# Altium PCB RX_fp.PcbDoc (continued)
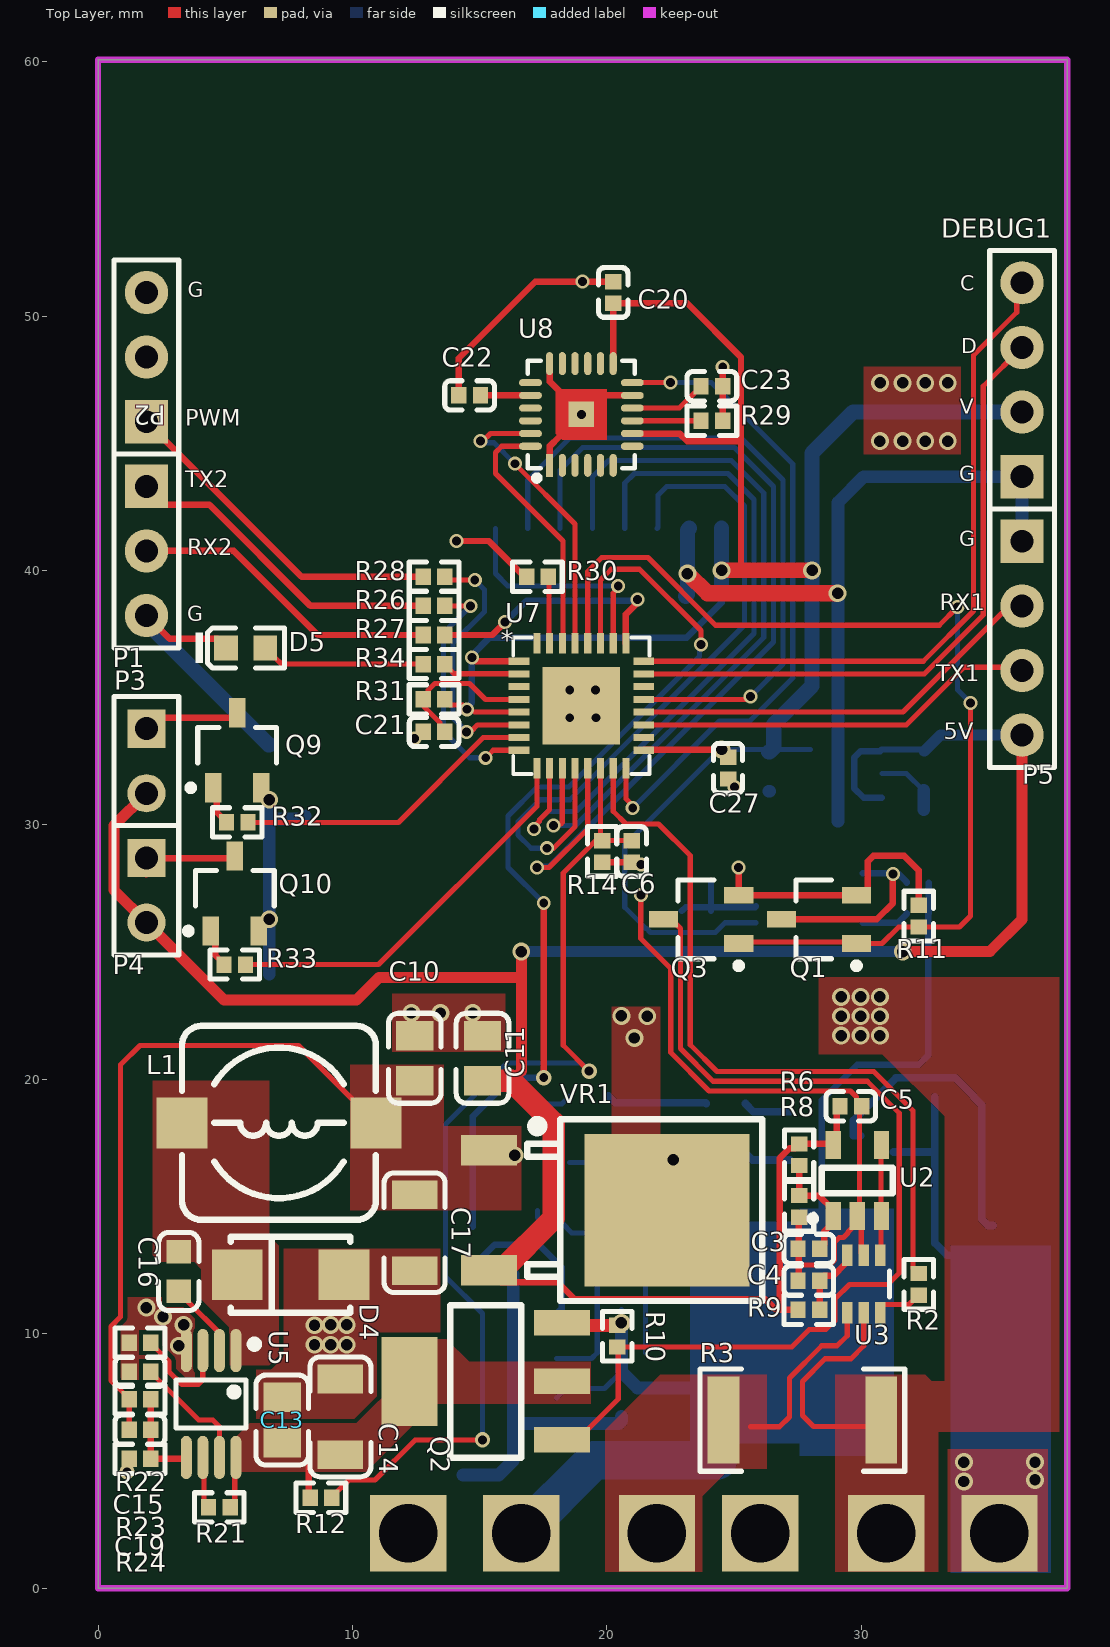
[diagram p0: Top Layer view]
## Part data (continued)
R1 R9: library part "0402 100Ω (1000) 1%", "贴片电阻", Package=0402, SuppliersPartNumber=C25076, ComponentLink1Description=¹©Ó, ComponentLink1URL=http://www.szlcsc.com/product/details_25819.html, Supplier=LC
R2 R14 R23 R32 R33 R34: library part "0402 1KΩ (1001) 1%", "贴片电阻", Package=0402, SuppliersPartNumber=C11702, ComponentLink1Description=¹©Ó, ComponentLink1URL=http://www.szlcsc.com/product/details_12256.html, Supplier=LC
R3 R25: library part "0603 0Ω (0R0) 1%", "贴片电阻", Package=0603, SuppliersPartNumber=C21189, ComponentLink1Description=供应, ComponentLink1URL=http://www.szlcsc.com/product/details_21903.html, Supplier=LC
R4: library part "0402 150KΩ (1503) 1%", "贴片电阻", Package=0402, SuppliersPartNumber=C25755, ComponentLink1Description=¹©Ó, ComponentLink1URL=http://www.szlcsc.com/product/details_26498.html, Supplier=LC
R5 R21: library part "0402 1MΩ (1004) 1%", "贴片电阻", Package=0402, SuppliersPartNumber=C26083, ComponentLink1Description=¹©Ó, ComponentLink1URL=http://www.szlcsc.com/product/details_26826.html, Supplier=LC
R6: library part "0402 4.7KΩ (4701) 1%", "贴片电阻", Package=0402, SuppliersPartNumber=C25900, ComponentLink1Description=¹©Ó, ComponentLink1URL=http://www.szlcsc.com/product/details_26643.html, Supplier=LC
R7: library part "0402 200KΩ (2003) 1%", "贴片电阻", Package=0402, SuppliersPartNumber=C25764, ComponentLink1Description=¹©Ó, ComponentLink1URL=http://www.szlcsc.com/product/details_26507.html, Supplier=LC
R8: library part "0402 2.2KΩ (2201) 1%", "贴片电阻", Package=0402, SuppliersPartNumber=C25879, ComponentLink1Description=¹©Ó, ComponentLink1URL=http://www.szlcsc.com/product/details_26622.html, Supplier=LC
R10: library part "0402 56KΩ (5602) 1%", "贴片电阻", Package=0402, SuppliersPartNumber=C25796, ComponentLink1Description=¹©Ó, ComponentLink1URL=http://www.szlcsc.com/product/details_26539.html, Supplier=LC
R11 R29 R30 R31: library part "0402 10KΩ (1002) 1%", "贴片电阻", Package=0402, SuppliersPartNumber=C25744, ComponentLink1Description=¹©Ó, ComponentLink1URL=http://www.szlcsc.com/product/details_26487.html, Supplier=LC
R12: library part "0402 20KΩ (2002) 1%", "贴片电阻", Package=0402, SuppliersPartNumber=C25765, ComponentLink1Description=¹©Ó, ComponentLink1URL=http://www.szlcsc.com/product/details_26508.html, Supplier=LC
R13 R16: library part "0603 10KΩ (1002) 1%", "贴片电阻", Package=0603, SuppliersPartNumber=C25804, ComponentLink1Description=供应, ComponentLink1URL=http://www.szlcsc.com/product/details_26547.html, Supplier=LC
R15 R17: library part "0603 680Ω (6800) 1%", "贴片电阻", Package=0603, SuppliersPartNumber=C23228, ComponentLink1Description=供应, ComponentLink1URL=http://www.szlcsc.com/product/details_23955.html, Supplier=LC
R18: library part "0603 4.7KΩ (4701) 1%", "贴片电阻", Package=0603, SuppliersPartNumber=C23162, ComponentLink1Description=供应, ComponentLink1URL=http://www.szlcsc.com/product/details_23889.html, Supplier=LC
R19: library part "0603 1KΩ (1001) 1%", "贴片电阻", Package=0603, SuppliersPartNumber=C21190, ComponentLink1Description=供应, ComponentLink1URL=http://www.szlcsc.com/product/details_21904.html, Supplier=LC
R20: library part "0603 30KΩ (3002) 1%", "贴片电阻", Package=0603, SuppliersPartNumber=C22984, ComponentLink1Description=供应, ComponentLink1URL=http://www.szlcsc.com/product/details_23711.html, Supplier=LC
R22: library part "0402 120KΩ (1203) 1%", "贴片电阻", Package=0402, SuppliersPartNumber=C25750, ComponentLink1Description=¹©Ó, ComponentLink1URL=http://www.szlcsc.com/product/details_26493.html, Supplier=LC
R24: library part "0603 270Ω (2700) 1%", "贴片电阻", Package=0603, SuppliersPartNumber=C22966, ComponentLink1Description=供应, ComponentLink1URL=http://www.szlcsc.com/product/details_23693.html, Supplier=LC
R26 R27 R28: library part "0402 470Ω (4700) 1%", "贴片电阻", Package=0402, SuppliersPartNumber=C25117, ComponentLink1Description=¹©Ó, ComponentLink1URL=http://www.szlcsc.com/product/details_25860.html, Supplier=LC
U1: "50mA、3V 至 80V 低压差微功率稳压器"
U2: "运放", Package=SOT-23-5, SuppliersPartNumber=C7972, ComponentLink1Description=供应, ComponentLink1URL=http://www.szlcsc.com/product/details_8449.html, Supplier=LC
U5: "降压开关稳压器"
U7: "ARM", Package=LQFP-48_7x7x05P, SuppliersPartNumber=C9861, ComponentLink1Description=供应, ComponentLink1URL=http://www.szlcsc.com/product/details_10393.html, Supplier=LC
U8: "9轴运动处理传感器"
VR1: library part "TO-252-2 L78M05ABDT-TR", "低压差线性稳压(LDO)", Package=TO-252-2, SuppliersPartNumber=C58069, ComponentLink1Description=供应, ComponentLink1URL=http://www.szlcsc.com/product/details_59107.html, Supplier=LC
B+ B- C+ C- OUT+ OUT-: LatestRevisionDate=17-Jul-2002, LatestRevisionNote="Re-released for DXP Platform.", Publisher="Altium Limited"

## Via types
v1: diameter 0.7, hole 0.45, Top Layer to Bottom Layer, tented both sides, 49 vias
v2: diameter 0.55, hole 0.35, Top Layer to Bottom Layer, tented both sides, 36 vias
v3: diameter 0.6, hole 0.35, Top Layer to Bottom Layer, tented both sides, 4 vias

## Nets (pads, with @x,y where several pads share a name; then routed paths per layer and width w, separated by ;. In a path a pad name is that pad's centre, name@x,y a point inside that pad or via, vN(x,y) a via of type N, cw(c..) or ccw(c..) an arc to the next point about the centre after c; other vN are vias at no path point)
+3.3V: C1.2 C2.2 C7.2 C20.2 C24.2 C25.2 C26.2 C27.2 C28.2 DEBUG1.2 R4.2 R31.2 U1.1 U4.5 U6.1 U7.1 U7.5 U7.17 U8.8 U8.13 | length 85.9
  Top Layer w0.203: R31.2 13.633,34.908 13.831,34.71 14.346,34.71 v2(14.511,34.544) ; 14.81,34.433 U7.5
  Top Layer w0.254: v2(14.699,36.576) 14.842,36.433 U7.1 ; U8.13@20.25,48.283 C20.2 23.158,50.502 25.273,48.387 25.273,45.085 ; U8.8 22.86,45.383 23.158,45.085 25.273,45.085 ; U7.17 21.464,32.946 24.493,32.946 v1(24.511,32.964) ; 25.273,40.005 25.273,45.085
  Top Layer w0.6: v1(24.511,40.005) 25.273,40.005 v1(28.067,40.005)
  Bottom Layer w0.203: U1.1 24.644,26.151 24.264,25.771 C2.2 R4.2 21.717,25.771 C1.2 21.529,25.934 20.701,26.762 20.701,29.21 24.455,32.964 v1(24.511,32.964) 26.49,32.964 U4.5
  Bottom Layer w0.254: v2(14.511,34.544) 14.511,34.624 14.699,34.812 v2(14.699,36.576) 14.699,36.67 15.392,37.363 23.139,37.363 C24.2@24.511,38.735
  Bottom Layer w0.6: C24.2@24.511,39.243 v1(24.511,40.005) U6.1 ; C7.2 26.391,32.865 26.49,32.964 26.556,33.03 26.556,33.946 28.067,35.457 v1(28.067,40.005) 28.067,44.613 29.682,46.228 DEBUG1.2
+5V: C5.2 C8.2 C11.2 P3.2 P4.2 P5.4 R6.2 R9.1 U2.5 U4.1 U4.3 VR1.3 | length 97.9
  Top Layer w0.254: VR1.3 15.844,12.025 18.074,12.025 18.74,11.359 26.233,11.359 26.652,10.94 ; R9.1 26.652,10.94 ; C5.2 29.03,18.806 29.03,17.555 U2.5 28.854,17.461 R6.2 27.386,17.288 27.18,17.288 26.797,16.905 26.797,11.085 26.652,10.94
  Top Layer w0.432: P3.2 0.635,29.972 0.635,27.432 P4.2 4.953,23.114 10.158,23.114 11.047,24.003 16.637,24.003 ; 16.257,19.938 16.637,20.318 16.637,24.003 ; v1(16.637,25.019) 16.637,24.003 ; v1(31.631,25.019) 35.052,25.019 36.322,26.289 P5.4
  Top Layer w0.889: C11.2@15.292,19.938 16.257,19.938 17.907,18.288 17.907,14.534 15.871,12.498 VR1.3
  Bottom Layer w0.254: U4.3 30.099,31.064 29.718,31.445 29.718,32.639 29.97,32.891 30.739,32.891 U4.1 32.399,32.964 C8.2
  Bottom Layer w0.432: v1(16.637,25.019) v1(31.631,25.019) ; C8.2 32.487,32.901 33.114,33.528 P5.4
+12V: C10.2 C17.1 C19.1 L1.1 R17.2 R23.1 VR1.1 | length 26.4
  Top Layer w0.203: C19.1 R23.1 1.226,7.443 0.508,8.161 0.508,10.287 0.889,10.668 0.889,20.572 1.652,21.335 7.875,21.335 L1.1
  other v1: 16.383,17.018
BAT+36V: B+.1 C+.1 Q2.3 Q5.9 Q6.3 R1.2 R5.2 R10.2 R13.1 R18.2 | length 39.6
  Top Layer w0.508: Q2.3@18.24,10.331 R10.2
  Bottom Layer w0.203: R18.2 18.397,7.848 19.913,7.848 20.574,8.509 ; Q6.3 Q6.3@20.638,10.878 ; 23.868,14.755 R13.1 R13.1@23.876,17.137
  Bottom Layer w0.254: 28.448,14.655 28.448,19.177 29.845,20.574 32.258,20.574 32.639,20.955 R1.2@32.639,26.532 ; R1.2 R5.2
  Bottom Layer w0.508: C+.1@15.391,3.405 C+.1 ; v1(20.574,10.428) 20.574,8.509 21.209,7.874 23.495,7.874
  Bottom Layer w1.5: C+.1 19.508,5.03 24.359,5.03
GND: C1.1 C3.1 C4.1 C5.1 C6.1 C7.1 C8.1 C20.1 C21.1 C22.1 C23.1 C24.1 C25.1 C26.1 C27.1 C28.1 D5.K DEBUG1.1 P1.3 P2.3 P5.1 Q1.2 Q3.2 R7.1 R8.1 R11.1 R14.1 R25.1 R29.1 R30.1 U1.0 U1.4 U2.2 U3.2 U4.2 U6.2 U7.33 U8.1 U8.11 U8.18 U8.25 | length 102.5
  Top Layer w0.203: v2(21.336,27.239) 21.336,25.532 22.509,24.359 22.509,21.052 24.016,19.545 29.582,19.545 29.818,19.31 29.818,19.139 C5.1 29.93,18.856 29.93,14.705 U2.2 ; 27.537,12.7 28.75,12.7 28.944,12.894 28.944,13.597 29.133,13.785 29.306,13.785 29.474,13.954 29.474,13.999 29.845,14.37 30.001,14.214 30.001,13.179 U3.2
  Top Layer w0.254: P1.3 2.812,37.32 4.694,37.32 5.032,36.982 D5.K ; v2(14.097,41.16) 15.355,41.16 16.674,39.841 R30.1@16.674,39.568 ; C22.1 14.18,48.343 17.189,51.352 v2(19.05,51.352) C20.1 ; U8.1 17.763,44.146 17.763,44.896 18.125,45.258 ; U8.18 17.755,48.128 17.755,47.427 18.161,47.021 ; 19.578,46.883 U8.11 ; R14.1 C6.1 ; R29.1 C23.1 v2(24.555,48.006) ; v2(25.18,28.321) Q3.2 Q1.2 30.061,27.239 30.259,27.437 30.259,28.564 30.475,28.78 31.689,28.78 32.258,28.211 R11.1 ; C4.1 27.537,12.105 27.537,12.7 27.537,14.557 R8.1
  Top Layer w0.635: v1(23.169,39.878) 23.187,39.878 23.961,39.104 v1(29.071,39.104)
  Bottom Layer w0.203: U4.2 31.784,32.014 32.437,31.361 C8.1
  Bottom Layer w0.5: C7.1 C7.1@26.391,31.325 ; 29.083,30.146 29.083,42.672 30.099,43.688 DEBUG1.1 P5.1 ; 32.462,30.596 C8.1
  Bottom Layer w0.6: P1.3 1.905,37.956 6.706,33.155 6.731,33.155 ; C24.1 23.169,39.06 v1(23.169,39.878) 23.169,41.584 U6.2
  other v1: 30.734,45.085 31.623,45.085 32.512,45.085 33.397,45.085 30.738,47.371 31.627,47.371 32.516,47.371 33.401,47.371
  other v2: 21.336,28.448 25.019,31.496 12.446,33.401 18.542,34.21 19.578,34.21 18.542,35.306 19.558,35.306 19,46.133
LED: R34.1 U7.2 | length 3.1
  Top Layer w0.203: R34.1 13.633,36.297 13.989,35.941 16.541,35.941 U7.2
LED1_PWM: R32.2 U7.7 | length 12
  Top Layer w0.203: R32.2 11.811,30.099 15.145,33.433 U7.7
LED2_PWM: R33.2 U7.9 | length 15.5
  Top Layer w0.203: R33.2 11.027,24.511 17.25,30.734 U7.9
MPU_INT: U7.16 U8.12 | length 26.1
  Top Layer w0.203: U7.16 20.75,31.03 21.017,30.763 v2(21.017,30.669) ; U8.12 v2(22.509,47.383)
  Bottom Layer w0.203: v2(21.017,30.669) 24.426,34.078 25.617,34.078 27.311,35.771 27.311,44.19 24.118,47.383 v2(22.509,47.383)
MPU_SCL: U7.29 U8.23 | length 11.9
  Top Layer w0.203: v2(15.03,45.085) 15.124,45.085 15.422,45.383 U8.23 ; v2(16.384,44.196) 18.75,41.83 U7.29
  Bottom Layer w0.203: v2(15.03,45.085) 15.096,45.019 15.561,45.019 v2(16.384,44.196)
MPU_SDA: U7.30 U8.24 | length 10.1
  Top Layer w0.203: U8.24 15.867,44.883 15.621,44.637 15.621,43.815 18.276,41.16 18.276,37.161 U7.30
NetC2_1: C2.1 R4.1 R7.2 U1.2 | length 4.2
  Bottom Layer w0.254: R4.1 23.097,26.767 C2.1@24.094,26.767 ; C2.1 C2.1@24.094,26.767 ; R7.2 C2.1@24.094,26.767 ; U1.2 25.829,26.767 C2.1@24.094,26.767
NetC3_2: C3.2 R6.1 R8.2 U2.1 | length 4.5
  Top Layer w0.254: R6.1 R8.2 28.336,15.429 28.895,14.87 U2.1 28.803,14.528 28.803,14.278 28.538,14.013 28.538,13.508 C3.2 ; C3.2@28.365,13.226 C3.2@28.365,13.251
NetC4_2: C4.2 R9.2 U3.3 | length 2.8
  Top Layer w0.254: R9.2 28.365,12.108 28.538,12.281 28.906,12.281 29.376,12.751 29.376,13.008 U3.3
NetC6_2: C6.2 R12.1 R14.2 U7.14 | length 40.8
  Top Layer w0.203: R12.1 9.188,3.581 9.861,4.255 10.892,4.255 12.466,5.828 v3(15.113,5.828) ; v3(19.304,20.32) 18.288,21.336 18.288,28.111 R14.2@19.558,29.381 ; U7.14 19.75,29.573 R14.2@19.558,29.381 ; C6.2@20.727,29.381 R14.2 R14.2@19.558,29.381
  Bottom Layer w0.203: v3(15.113,5.828) 15.113,10.795 13.652,12.255 13.652,18.224 16.073,20.645 18.979,20.645 v3(19.304,20.32)
NetC9_2: C9.2 D3.2 R15.2 | length 4
  Bottom Layer w0.305: D3.2 20.329,19.078 23.881,19.078 R15.2
NetC12_1: C12.1 Q6.2 Q8.2 | length 6.1
  Bottom Layer w0.203: C12.1 21.337,13.502 21.524,13.315 Q8.2
NetC12_2: C12.2 D2.2 D3.1 | length 3.5
  Bottom Layer w0.203: D2.2@18.542,16.727 20.066,16.727 19.753,16.414 ; C12.2 19.753,15.436 D3.1@19.753,16.668
NetC15_1: C15.1 U5.7 | length 4.8
  Top Layer w0.203: C15.1 2.076,8.484 3.956,6.604 4.511,6.604 4.77,6.345 U5.7
NetC16_1: C16.1 D4.2 L1.2 U5.1
NetC16_2: C16.2 U5.2 | length 3
  Top Layer w0.203: C16.2 3.2,11.676 3.563,11.313 3.563,11.23 4.77,10.023 U5.2
NetC19_2: C19.2 R23.2 R24.1 U5.5 | length 3.5
  Top Layer w0.254: C19.2 R24.1 3.411,5.08 U5.5 ; C19.2@2.076,6.477 R23.2
NetC21_2: C21.2 R31.1 U7.4 | length 5.7
  Top Layer w0.203: R31.1 12.981,35.131 12.981,35.302 13.24,35.56 14.605,35.56 15.232,34.933 U7.4 ; R31.1@12.807,34.651 13.435,34.024 13.435,33.853 C21.2 C21.2@13.637,33.659
NetC22_2: C22.2 U8.20 | length 2
  Top Layer w0.254: C22.2 U8.20
NetC23_2: C23.2 U8.10 | length 3.1
  Top Layer w0.203: U8.10 22.844,46.383 23.482,47.021 23.507,47.021 23.705,47.219 C23.2
NetD1_1: D1.1 OUT+.1 Q5.2 Q5.3 Q5.4 Q5.5 Q5.6 Q5.7 Q5.8 R16.1 | length 9.1
  Bottom Layer w0.305: D1.1@31.27,17.145 32.885,17.145 ; R16.1@32.893,19.296 32.885,19.304 32.885,17.145 ; Q5.2@34.417,13.081 33.375,13.081 32.885,13.571 32.885,17.145
  other v1: 34.036,4.191 36.83,4.255 34.036,4.953 36.83,4.953
NetD1_2: D1.2 Q4.3 Q5.1 R16.2 | length 12.1
  Bottom Layer w0.305: Q4.3@29.973,17.78 Q4.3 29.698,18.395 31.369,20.066 33.688,20.066 34.425,19.329 34.425,19.304 34.738,18.991 34.738,14.503 34.985,14.255 Q5.1
NetD2_1: D2.1 R17.1 | length 1.8
  Bottom Layer w0.203: R17.1 16.988,19.028 18.229,19.028 D2.1
NetD5_A: D5.A R34.2 | length 6.5
  Top Layer w0.203: D5.A 6.572,36.932 6.935,36.569 6.96,36.569 7.207,36.322 R34.2
NetJ3_1: B-.1 R3.2 U3.4 | length 7.3
  Top Layer w0.203: 25.654,6.345 26.792,6.345 27.178,6.731 27.178,8.255 28.448,9.525 29.052,9.525 29.449,9.922 U3.4
  Top Layer w0.508: R3.2 R3.2@24.713,6.731
NetP1_1: P1.1 R26.2 | length 12.8
  Top Layer w0.254: P1.1 2.628,42.584 4.38,42.584 8.356,38.608 R26.2
NetP1_2: P1.2 R27.2 | length 12.2
  Top Layer w0.254: P1.2 5.334,40.767 8.636,37.465 R27.2
NetP2_1: P2.1 R28.2 | length 13.4
  Top Layer w0.254: P2.1 8.001,39.751 R28.2
NetP3_1: P3.1 Q9.3 | length 3.8
  Top Layer w0.254: P3.1 2.333,34.21 5.273,34.21 Q9.3
NetP4_1: P4.1 Q10.3 | length 3.8
  Top Layer w0.254: P4.1@1.905,28.067 2.528,28.69 5.287,28.69 Q10.3
NetQ1_1: Q1.1 Q3.1 R11.2 U7.28 | length 40.9
  Top Layer w0.203: U7.28 19.25,39.956 19.802,40.509 21.613,40.509 24.275,37.846 33.066,37.846 v2(33.779,38.559) ; Q3.1 25.243,25.402 29.747,25.402 Q1.1@29.811,25.466 ; Q1.1 30.821,25.339 31.473,25.991 R11.2 33.865,25.991 34.29,26.416 v2(34.29,34.798)
  Bottom Layer w0.203: v2(33.779,38.559) 33.779,35.309 v2(34.29,34.798)
NetQ1_3: Q1.3 R5.1 U1.5 | length 7.7
  Top Layer w0.254: Q1.3 30.612,26.289 31.247,26.924 v2(31.247,28.067)
  Bottom Layer w0.254: U1.5 31.441,28.101 31.797,27.745 R5.1
NetQ2_1: Q2.1 Q3.3 R10.1 | length 38.7
  Top Layer w0.203: Q2.1 18.84,5.828 20.447,7.435 20.447,9.445 R10.1 27.266,9.481 27.945,10.16 28.605,10.16 28.956,10.511 28.956,11.289 28.97,11.303 28.97,11.372 29.536,11.938 31.041,11.938 31.496,12.393 31.496,18.669 30.239,19.926 24.173,19.926 22.89,21.209 22.89,25.933 Q3.3@22.661,26.162
NetQ4_1: Q4.1 R13.2 | length 1.9
  Bottom Layer w0.305: R13.2 25.408,17.143 25.721,16.83 Q4.1
NetQ4_2: Q4.2 R15.1 | length 1.9
  Bottom Layer w0.305: R15.1 25.449,19.043 25.762,18.73 Q4.2
NetQ6_1: Q6.1 Q7.3 Q8.1 R18.1 | length 9
  Bottom Layer w0.203: Q7.3 17.272,14.564 17.52,14.316 18.273,14.316 18.623,13.965 19.376,13.965 19.624,13.717 Q6.1 ; R18.1 19.398,9.025 Q8.1 Q6.1@19.624,13.315
NetQ7_1: Q7.1 R19.2 R20.2 | length 6.1
  Bottom Layer w0.254: R19.2 14.757,12.672 15.587,13.502 17.334,13.502 18.222,12.614 Q7.1 18.222,10.975 R20.2
NetQ9_1: Q9.1 R32.1 | length 1.6
  Top Layer w0.254: Q9.1 4.668,31.311 4.668,30.502 5.046,30.124 R32.1
NetQ10_1: Q10.1 R33.1 | length 1.5
  Top Layer w0.254: Q10.1 4.614,25.643 4.614,24.874 4.952,24.536 R33.1
NetR1_1: R1.1 U1.8 | length 1.9
  Bottom Layer w0.254: U1.8 31.441,26.151 31.797,26.507 R1.1
NetR2_1: R2.1 U7.15 | length 29.2
  Top Layer w0.203: U7.15 20.25,30.538 20.75,30.038 22.032,30.038 23.277,28.793 23.277,21.362 24.331,20.307 30.493,20.307 32.035,18.765 32.035,12.561 32.233,12.363 R2.1
NetR2_2: R2.2 U3.6 | length 1.9
  Top Layer w0.203: U3.6 30.749,11.056 30.847,11.154 31.874,11.154 32.233,11.513 R2.2
NetR19_1: R19.1 U7.27 | length 37.5
  Top Layer w0.203: U7.27 19.75,39.628 20.173,40.051 21.29,40.051 23.705,37.636 v2(23.705,37.084)
  Top Layer w0.254: v3(17.52,20.066) v2@17.52,27.051
  Bottom Layer w0.203: v2(17.52,26.931) 16.121,28.33 16.121,30.349 17.268,31.496 18.511,31.496 23.639,36.623 23.639,37.018 v2(23.705,37.084)
  Bottom Layer w0.254: R19.1 14.732,18.542 16.256,20.066 v3(17.52,20.066)
NetR21_1: R21.1 U5.6 | length 2.1
  Top Layer w0.203: U5.6 4.163,5.096 4.163,3.357 R21.1
NetR22_2: R22.2 U5.3 | length 4.2
  Top Layer w0.203: R22.2 2.076,9.627 2.794,8.909 2.794,8.509 3.302,8.001 3.937,8.001 4.12,8.184 U5.3
NetR29_2: R29.2 U8.9 | length 2.7
  Top Layer w0.203: U8.9 R29.2
NetR30_2: R30.2 U7.31 | length 2.6
  Top Layer w0.203: R30.2@17.724,39.751 17.724,37.161 U7.31
NetU2_3: U2.3 U2.4 U3.1 | length 4.4
  Top Layer w0.203: U3.1 30.772,13.104 30.772,17.397 U2.4
NRF_CE: U6.3 U7.12 | length 27.6
  Top Layer w0.203: v2(17.653,29.083) 17.907,29.083 18.75,29.926 U7.12
  Bottom Layer w0.203: v2(17.653,29.083) 17.026,29.083 16.502,29.607 16.502,30.121 17.369,30.988 18.542,30.988 25.406,37.852 25.406,42.539 24.638,43.307 22.352,43.307 22.006,42.961 22.006,41.691 U6.3
NRF_CS: U6.4 U7.10 | length 27.3
  Top Layer w0.203: v2(17.145,29.845) 17.145,29.939 17.353,30.146 17.353,30.202 17.75,30.599 U7.10
  Bottom Layer w0.203: v2(17.145,29.845) 17.145,29.939 17.353,30.146 17.353,30.202 17.677,30.526 18.786,30.526 25.787,37.527 25.787,42.793 24.765,43.815 21.082,43.815 20.701,43.434 U6.4
NRF_IRQ: U6.8 U7.26 | length 9.2
  Top Layer w0.203: U7.26@20.221,37.163 U7.26 20.25,39.104 20.447,39.301 v2(20.447,39.395)
  Bottom Layer w0.203: U6.8 15.621,39.878 16.104,39.395 v2(20.447,39.395)
NRF_MISO: U6.7 U7.21 | length 26.6
  Top Layer w0.203: U7.21 25.441,34.933 25.56,35.052 v2(25.654,35.052)
  Bottom Layer w0.203: U6.7 16.891,43.561 18.542,45.212 25.273,45.212 26.93,43.555 26.93,36.328 v2(25.654,35.052)
NRF_MOSI: U6.6 U7.13 | length 35.8
  Top Layer w0.203: v2(17.25,28.321) 17.73,28.321 19.25,29.841 U7.13
  Bottom Layer w0.203: v2(17.25,28.321) 17.316,28.387 17.741,28.387 26.549,37.195 26.549,38.352 26.549,43.301 25.019,44.831 19.05,44.831 18.161,43.942 U6.6
NRF_SCK: U6.5 U7.11 | length 29.1
  Top Layer w0.203: v2(17.907,29.972) 17.973,30.038 18.197,30.038 18.25,30.091 U7.11
  Bottom Layer w0.203: v2(17.907,29.972) 18.77,29.972 26.168,37.369 26.168,43.047 24.892,44.323 20.066,44.323 19.431,43.688 U6.5
PGND: C9.1 C10.1 C11.1 C13.1 C14.2 C15.2 C17.2 C-.1 D4.1 OUT-.1 Q7.2 Q8.3 Q9.2 Q10.2 R3.1 R20.1 R22.1 R24.2 R25.2 U3.5 U5.4 VR1.2 | length 31.4
  Top Layer w0.203: U3.5 30.099,9.525 29.593,9.019 28.577,9.019 27.686,8.128 27.686,6.785 28.121,6.35 30.786,6.35 R3.1@30.913,6.477
  Top Layer w0.508: C15.2 C15.2@1.252,8.535
  Bottom Layer w0.508: 6.731,24.13 v1(6.731,26.289) 6.731,30.226 ; v1(6.731,30.988) 6.731,30.226 ; R25.2 8.009,30.226 6.731,30.226 ; 14.351,4.445 15.753,4.445 16.322,5.014 16.322,6.477 ; Q7.2 16.322,6.477 ; Q8.3 20.574,6.573 20.478,6.477 16.322,6.477
  other v1: 3.175,9.525 8.509,9.569 9.144,9.569 9.779,9.564 3.362,10.349 8.509,10.331 9.144,10.349 9.779,10.349 2.554,10.668 1.905,11.028 22.606,16.83 21.082,21.624 29.21,21.717 29.973,21.717 30.734,21.717 21.59,22.479 29.21,22.479 29.973,22.479 30.734,22.479 20.574,22.494 12.319,22.606 13.462,22.606 14.732,22.606 29.21,23.241 29.972,23.241 30.734,23.241
  other v3: 1.143,4.572
PWM_BLDC: R28.1 U7.6 | length 10.3
  Top Layer w0.203: R28.1 13.76,39.624 v2(14.81,39.624) ; v2(14.478,33.655) 14.636,33.655 14.914,33.933 U7.6
  Bottom Layer w0.203: v2(14.478,33.655) 14.5,33.655 13.957,34.198 13.957,37.145 15.19,38.378 15.19,39.243 v2(14.81,39.624) v2@14.859,39.624
SWC: DEBUG1.4 U7.24 | length 27.5
  Top Layer w0.203: U7.24 32.437,36.433 34.417,38.413 34.417,48.46 36.11,50.153 36.11,51.096 DEBUG1.4
SWD: DEBUG1.3 U7.23 | length 25.5
  Top Layer w0.203: U7.23 32.476,35.933 34.798,38.255 34.798,47.244 DEBUG1.3
UART1_RX: P5.2 U7.20 | length 16.8
  Top Layer w0.203: U7.20 31.639,34.433 P5.2@36.322,39.116
UART1_TX: P5.3 U7.19 | length 16
  Top Layer w0.203: U7.19 31.774,33.933 34.036,36.195 35.941,36.195 P5.3@36.322,36.576
UART_BLDC_RX: R27.1 U7.25 | length 10.1
  Top Layer w0.254: R27.1 15.494,37.465 v2(16.002,37.973) ; U7.25 20.75,38.276 21.209,38.735 v2(21.209,38.862)
  Bottom Layer w0.254: v2(16.002,37.973) 16.844,38.815 21.162,38.815 v2(21.209,38.862)
UART_BLDC_TX: R26.1 U7.8 | length 9.9
  Top Layer w0.203: R26.1 v2(14.636,38.608) ; v2(15.24,32.639) 15.534,32.933 U7.8
  Bottom Layer w0.203: v2(14.636,38.608) 13.576,37.548 13.576,33.668 14.605,32.639 v2(15.24,32.639)
VIN: C13.2 C14.1 Q2.2 R12.2 R21.2 U5.8 | length 3.4
  Top Layer w0.203: R21.2 5.377,3.357 5.377,5.096 U5.8
  Top Layer w0.254: 8.276,4.847 8.276,3.618 R12.2
pads on no net: P2.2 U1.3 U1.6 U1.7 U4.4 U7.3 U7.18 U7.22 U7.32 U8.2 U8.3 U8.4 U8.5 U8.6 U8.7 U8.14 U8.15 U8.16 U8.17 U8.19 U8.21 U8.22

## Polygon pours and split planes (outlines as drawn)
PGND on Top Layer "Top Layer-PGND 4" (solid, pour order 46): 0.889,8.161 0.917,8.189 3.81,8.189 3.81,11.43 0.889,11.43
GND on Top Layer "Top Layer-GND" (solid, pour order 44): 30.099,48.006 33.909,48.006 33.909,44.577 30.099,44.577
NetD1_1 on Top Layer "Top Layer-NetD1_1" (solid, pour order 34): 33.401,0.635 37.338,0.635 37.338,5.461 33.401,5.461
PGND on Top Layer "Top Layer-PGND 5" (solid, pour order 32): 20.193,17.42 20.193,22.86 22.098,22.86 22.096,22.858 22.096,17.413 21.971,17.288
PGND on Top Layer "Top Layer-PGND 3" (solid, pour order 8): 28.97,0.635 28.97,8.382 32.512,8.382 33.02,7.874 33.02,0.635
PGND on Top Layer "Top Layer-PGND" (solid, pour order 30): 11.557,23.368 16.002,23.368 16.002,21.082 11.557,21.082
PGND on Top Layer "Top Layer-PGND 1" (solid, pour order 24): 32.893,6.144 38.052,6.144 38.1,6.096 38.1,24.003 28.321,24.003 28.321,20.986 30.83,20.986 33.274,18.542 33.274,8.128 32.512,8.128
+12V on Top Layer "Top Layer-+12V" (solid, pour order 20): 9.906,14.859 9.906,20.572 13.589,20.572 13.589,18.161 16.637,18.161 16.637,14.859
PGND on Top Layer "Top Layer-PGND 2" (solid, pour order 16): 6.223,8.763 6.223,6.46 10.714,6.46 13.589,9.335 13.462,9.461 13.462,13.335 6.731,13.335
NetJ3_1 on Top Layer "Top Layer-NetJ3_1" (solid, pour order 6): 23.749,0.635 23.749,3.608 24.84,4.699 26.289,4.699 26.289,8.382 22.096,8.382 19.939,6.225 19.939,0.635
VIN on Top Layer "Top Layer-VIN" (solid, pour order 4): 5.471,4.572 10.541,4.572 13.208,7.239 19.37,7.239 19.37,8.89 18.053,8.89 14.584,8.89 13.695,9.779 11.938,9.779 11.938,8.26 10.155,6.477 5.969,6.477 5.461,5.969
NetC16_1 on Top Layer "Top Layer-NetC16_1" (solid, pour order 0): 5.163,8.763 5.163,10.26 4.064,11.359 4.064,12.537 3.774,12.827 2.413,12.827 2.159,13.081 2.159,19.939 6.731,19.939 6.731,13.843 7.112,13.462 7.112,9.144 6.731,8.763
GND on Bottom Layer "Bottom Layer-GND" (solid, pour order 42): 33.401,40.513 33.401,35.361 31.973,33.933 30.48,33.933 29.845,33.298 29.845,30.099 28.829,30.099 28.829,40.513
GND on Bottom Layer "Bottom Layer-GND 1" (solid, pour order 40): 0,52.578 38.1,52.578 38.1,40.259 28.448,40.259 28.448,45.466 14.636,45.466 14.636,37.018 22.606,37.018 22.606,31.242 0,31.242
GND on Bottom Layer "Bottom Layer-GND 2" (solid, pour order 38): 30.353,32.258 33.266,32.258 33.909,31.615 33.909,29.472 32.885,28.448 28.956,28.448 28.702,28.194 27.051,28.194 26.604,27.94 25.019,27.94 24.638,28.321 23.58,28.321 22.31,27.051 21.082,27.051 21.082,28.719 24.24,31.877 26.924,31.877 26.924,31.034 27.605,30.353 31.496,30.353 31.877,30.734 31.877,31.496 31.623,31.75 30.353,31.75
PGND on Bottom Layer "Bottom Layer-PGND" (solid, pour order 28): 14.478,0 14.478,10.795 12.827,12.446 12.827,18.161 15.621,20.955 31.623,20.955 31.623,24.257 0,24.257 0,0
no net on Bottom Layer "Bottom Layer-No Net" (solid, pour order 26): 14.478,0
no net on Bottom Layer "Bottom Layer-No Net 1" (solid, pour order 12): 0,0.127
BAT+36V on Bottom Layer "Bottom Layer-BAT+36V" (solid, pour order 10): 24.257,0.635 24.257,4.027 23.279,5.005 23.279,7.747 27.051,7.747 28.575,6.223 28.575,0.635

## Keep-outs
Keep-Out Layer:
  the board outline again, w0.254

## Other copper
Top Layer:
  pour cut-out: -0.635,53.975
  pour cut-out: 0,60.071 38.1,60.071 38.1,53.34 0,53.34
  pour cut-out: 13.335,60.071
Bottom Layer:
  rectangle net NetD1_1: 33.502,0.595 37.465,13.462

## Silkscreen, mask and mechanical layers (free items; w line width, h text height)
Top Overlay:
  text "C" at 33.885,50.8 h1.02
  text "G" at 3.522,50.54 h1.02
  text "D" at 33.922,48.343 h1.02
  text "V" at 33.865,45.96 h1.02
  text "PWM" at 3.429,45.466 h1.1
  text "G" at 33.858,43.301 h1.02
  text "TX2" at 3.429,43.053 h1.1
  text "G" at 33.858,40.761 h1.02
  text "RX2" at 3.505,40.386 h1.1
  text "RX1" at 33.084,38.227 h1.1
  text "G" at 3.505,37.812 h1.02
  text "TX1" at 32.957,35.433 h1.1
  text "5V" at 33.252,33.147 h1.1
Top Solder:
  rectangle: 29.337,4.826 30.099,8.382
  rectangle: 25.273,4.826 26.035,8.382
  lines w0.762: 20.701,4.191 20.701,5.842 22.606,7.747 23.114,7.747 ; 21.971,4.191 21.971,5.334 23.114,6.477 ; 23.114,4.191 23.114,4.699 23.114,4.953 23.241,5.08 ; 32.258,4.318 32.258,7.112

## Text inside footprints (layer, text, board x,y; h text height)
U6: Bottom Overlay "mini NRF" at 24.486,49.327 h2.52
U7: Top Overlay "*" at 15.825,36.649 h1.27